# Altium PCB 28_Pins_Project_V1I1_PCB.PcbDoc (continued)
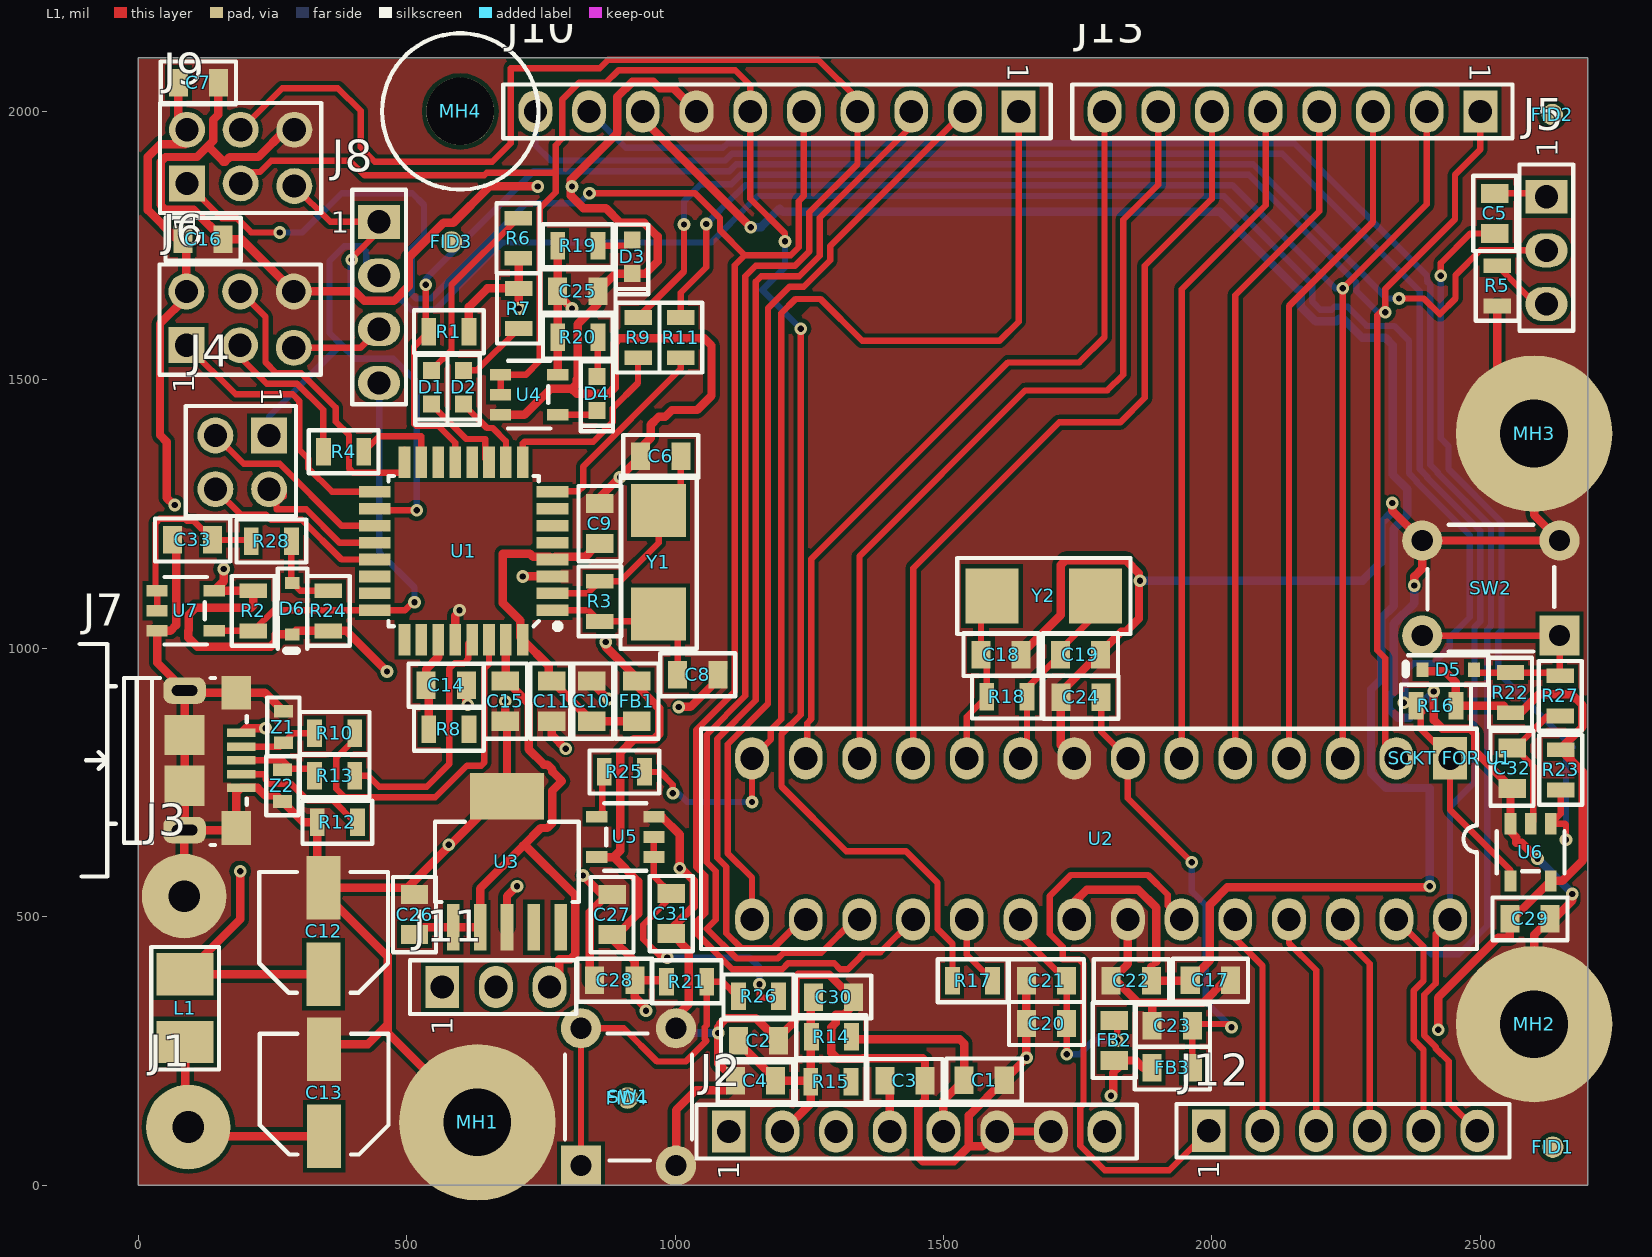
[diagram p0: L1 view]
## Nets (pads, with @x,y where several pads share a name; then routed paths per layer and width w, separated by ;. In a path a pad name is that pad's centre, name@x,y a point inside that pad or via, vN(x,y) a via of type N, cw(c..) or ccw(c..) an arc to the next point about the centre after c; other vN are vias at no path point)
5V/3V3_328P_AVCC: C20.2 C21.2 FB2.2 U2.20 | length 436.8
  L1 w11.81: U2.20 1643.5,466.73 1729.18,381.06 C21.2 C20.2 v1(1729.33,244.09) v1@1727.36,242.13 ; FB2.2 1814.96,304.13 1823.91,295.19 v1(1823.91,269.7)
  L2 w11.81: v1(1729.33,244.09) 1753.94,244.09 1779.54,269.7 v1(1823.91,269.7)
5V/3V3_328P_VCC: C23.2 C24.2 FB3.2 U2.7 | length 872.2
  L1 w11.81: C24.2 1793.63,844.87 U2.7 1843.5,720.47 v1(1962.6,601.38) ; FB3.2 1963.58,300.2 2030.51,300.2 v1(2036.42,294.29)
  L2 w11.81: v1(1962.6,601.38) 1962.6,547.81 1988.78,521.63 1988.78,341.93 v1(2036.42,294.29)
16U2_16MHZ_XTAL1: C8.2 R3.1 U1.1 Y1.1 | length 340
  L1 w11.81: U1.1 839.57,1070.87 R3.1 955.71,1050.2 Y1.1 1004.92,1028.54 C8.2
16U2_16MHZ_XTAL2: C6.2 R3.2 U1.2 Y1.2 | length 414.5
  L1 w11.81: U1.2 837.6,1102.36 R3.2 897.64,1125 969.49,1196.85 Y1.2 1010.83,1298.23 C6.2
16U2_BUF_RESETN: C33.2 R28.2 U7.1 U7.2 | length 360.2
  L1 w11.81: U7.2 U7.1 32.48,1110.24 32.48,1233.07 40.55,1241.14 87.4,1241.14 91.34,1237.2 103.35,1237.2 C33.2 R28.2@208.66,1201.77
16U2_HDR_RESETN: J6.5 J8.3 | length 173.2
  L1 w11.81: J6.5 414.23,1559.7 J8.3
16U2_MISO: J6.1 U1.17 | length 527.6
  L1 w11.81: J6.1 181.57,1473.09 287.74,1473.09 300.2,1460.63 300.2,1370.08 316.93,1353.35 316.93,1335.63 361.22,1291.34 U1.17
16U2_MOSI: J6.4 U1.16 | length 589.5
  L1 w11.81: J6.4 237.2,1617.46 237.2,1532.48 257.22,1512.46 304.04,1512.46 368.11,1448.39 368.11,1422.05 392.72,1397.44 392.72,1334.84 400.79,1326.77 493.11,1326.77 496.06,1329.72 U1.16@496.06,1370.08
16U2_PB4: J4.1 J8.2 U1.18 | length 1016.3
  L1 w11.81: U1.18 443.9,1256.89 v1(518.7,1256.89)
  L2 w11.81: J4.1 243.9,1431.89 377.95,1565.94 ; J8.2 425.2,1717.91 425.2,1738.95 415.13,1749.02 403.74,1749.02 384.09,1749.02 356.3,1721.23 356.3,1587.6 377.95,1565.94 ; v1(518.7,1256.89) 518.7,1496.31 475.45,1539.57 404.33,1539.57 377.95,1565.94
16U2_PB5: J4.3 U1.19 | length 366.7
  L1 w11.81: J4.3 196.65,1343.7 263.47,1343.7 378.82,1228.35 U1.19
16U2_PB6: J4.2 U1.20 | length 281.5
  L1 w11.81: J4.2 271.46,1296.46 271.46,1282.73 269.15,1282.73 257.62,1271.2 257.62,1258.69 257.79,1258.86 313.07,1258.86 375.08,1196.85 U1.20
16U2_PB7: J4.4 U1.21 | length 351.5
  L1 w11.81: J4.4 191.14,1249.21 237.94,1249.21 248.15,1239 265.77,1239 265.95,1239.17 304.92,1239.17 378.74,1165.35 U1.21
16U2_RESETN: J8.4 R2.1 U1.24 U7.4 | length 831
  L1 w11.81: U7.4 R2.1 252.95,1070.87 U1.24 497.05,1070.87 511.81,1085.63 v1(514.76,1085.63)
  L2 w11.81: J8.4 448.82,1179.13 514.76,1113.19 v1(514.76,1085.63)
16U2_RX_LED: D2.1 U1.10 | length 147.1
  L1 w11.81: D2.1 606.3,1453.94 649.8,1410.43 660.43,1410.43 685.04,1385.83 U1.10
16U2_RXD: R11.1 U1.8 | length 377.4
  L1 w11.81: U1.8 771.65,1292.32 820.08,1292.32 828.94,1301.18 828.94,1338.54 1010.83,1520.43 R11.1
16U2_SCLK: J6.3 R4.1 | length 296
  L1 w11.81: J6.3 189.96,1542.32 239.51,1492.78 295.89,1492.78 344.49,1444.18 344.49,1387.8 345.47,1386.81 R4.1
16U2_SCLK_R: R4.2 U1.15 | length 167.3
  L1 w11.81: R4.2 448.82,1394.69 527.56,1394.69 U1.15
16U2_TX_LED: D1.1 U1.11 | length 173.5
  L1 w11.81: D1.1 611.22,1389.76 646.65,1389.76 646.65,1353.35 U1.11
16U2_TXD: R9.1 U1.9 | length 358.7
  L1 w11.81: U1.9 716.54,1381.89 719.49,1384.84 847.4,1384.84 884.01,1421.46 884.01,1447.01 931.1,1494.09 R9.1
16U2PROG_328P_RESETN: J5.2 R1.1 U1.13 | length 2778.2
  L1 w11.81: v1(535.43,1677.17) 535.43,1595.47 R1.1 513.78,1562.01 513.78,1418.31 517.72,1414.37 558.78,1414.37 590.55,1382.59 U1.13 ; v1(2348.54,1651.66) 2394.6,1651.66 2424.21,1622.05 2453.74,1651.57 2453.74,1694.88 2500,1741.14 J5.2
  L2 w11.81: v1(535.43,1677.17) 535.43,1687.77 736.45,1888.78 1101.52,1888.78 1114.32,1901.57 2076.63,1901.57 2288.78,1689.42 2288.78,1688.58 2325.71,1651.66 v1(2348.54,1651.66)
"328P RESETN": J2.3
328P_16MHZ_XTAL1: C19.2 R18.1 U2.9 Y2.1 | length 360.4
  L1 w11.81: U2.9 1655.51,807.01 R18.1 1655.51,926.18 C19.2 1717.52,997.05 1783.47,1062.99 Y2.1
328P_16MHZ_XTAL2: C18.2 R18.2 U2.10 Y2.2 | length 330.9
  L1 w11.81: U2.10 1543.5,872.25 R18.2 1580.71,977.36 C18.2 1569.88,1076.77 Y2.2
328P_AUTORESETN: C5.1 R23.1 U6.1 | length 1436.8
  L1 w11.81: v1(2426.18,1693.9) 2426.18,1717.52 2481.3,1772.64 C5.1 ; R23.1 2649.61,691.93 U6.1 2657.48,673.23 2659.45,671.26 v1(2659.45,643.7)
  L2 w11.81: v1(2426.18,1693.9) 2426.18,1391.03 2440.55,1376.66 2440.55,1333.95 2539.37,1235.14 2539.37,1033.61 2533.46,1027.7 2533.46,954.72 2672.24,815.94 2659.45,803.15 v1(2659.45,643.7)
328P_BUF_RESETN: C32.2 R27.2 U6.2 | length 265.2
  L1 w11.81: U6.2 2598.43,678.15 2598.43,780.51 2564.96,813.98 2625,874.01 R27.2
328P_RESETN: J8.1 J9.5 R16.1 U2.1 U6.4 | length 3774.5
  L1 w11.81: J9.5 357.54,1794.29 J8.1 457.18,1785.92 397.7,1726.44 v1(397.7,1723.43) ; v1(2357.28,898.62) 2385.83,898.62 2391.73,892.72 2391.73,881.02 2388.78,878.06 2388.78,849.72 U2.1 2443.5,699.21 2556.1,586.61 U6.4
  L2 w11.81: v1(397.7,1723.43) 396.65,1723.43 395.67,1724.41 395.67,1675.54 422.19,1649.02 490.47,1649.02 508.58,1630.91 553.2,1630.91 678.2,1755.91 1067.16,1755.91 1141.35,1830.1 1153.77,1842.52 2021.76,1842.52 2187.01,1677.28 2187.01,1645.9 2202,1630.91 2223.2,1630.91 2228.18,1635.88 2253.12,1635.88 2288.53,1600.47 2339.49,1600.47 2367.13,1572.83 2367.13,1325.79 2381.5,1311.42 2381.5,1309.49 2480.31,1210.67 2480.31,1058.07 2442.91,1020.67 2442.91,1002.42 2412.93,972.44 2375.98,972.44 2360.24,956.69 2360.24,901.57 v1(2357.28,898.62)
+3V3: C3.2 J2.4 J11.1 R15.2 U3.4 U3.5 | length 98.7
  L1 w15.75: C3.2 1400,185.63 J2.4
+3V3_16U2_UCAP: C14.2 R8.2 U1.27 | length 177.8
  L1 w15.75: R8.2 541.34,926.18 C14.2 536.42,960.63 559.06,983.27 U1.27
+5V: C1.2 C13.1 C15.2 C26.2 J1.1 J2.5 J11.3 L1.1 R14.1 U1.31 U3.1 U3.2 | length 1926.7
  L1 w15.75: J1.1@87.6,114.17 L1.1 ; J1.1 110.24,91.53 C13.1 ; C26.2 528.54,480.31 U3.1 U3.2 637.01,552.36 716.54,631.89 ; U1.31 685.04,939.96 727.36,897.64 727.36,812.01 755.91,783.46 762.43,783.46 771.65,774.24 771.65,770.3 789.37,752.58 771.65,734.87 771.65,674.58 762.43,665.35 750,665.35 716.54,631.89 ; J11.3 784.45,387.21 784.45,421.26 805.34,421.26 814.57,430.48 814.57,539.37 722.05,631.89 716.54,631.89 ; R14.1@1326.77,271.65 1530.51,271.65 1538.39,263.78 C1.2 1500,157.48 J2.5
+5V/3V3: C2.2 C4.2 C7.2 C16.2 C25.2 C27.2 C28.2 C29.2 C30.2 D5.1 D6.1 FB1.1 FB2.1 FB3.1 J2.2 J6.2 J9.2 J11.2 R1.2 R2.2 R6.1 R7.2 R14.2 R15.1 R16.2 R19.2 R20.2 R21.2 R22.2 R23.2 R24.2 U4.5 U5.5 U6.5 U7.5 | length 4893.9
  L1 w15.75: v1(67.92,1266.79) 66.87,1266.79 53.15,1280.51 53.15,1384.84 40.75,1397.24 40.75,1604.69 89.96,1653.9 J6.2 89.96,1755.51 C16.2 72.41,1761.81 18.11,1816.11 18.11,1915.66 41.17,1938.72 87.73,1938.72 90.94,1941.93 J9.2 74.8,1982.03 C7.2 ; v1(159.45,1147.64) 159.45,1125 U7.5 R2.2 214.57,1079.72 210.63,1075.79 107.28,1075.79 94.49,1062.99 94.49,1033.52 93.5,1032.54 93.5,1019.69 110.24,1002.95 246.68,1002.95 255.91,1012.18 255.91,1025.82 D6.1 294.06,1032.48 R24.2 387.8,1032.48 v1(463.58,956.69) ; R1.2 616.14,1635.83 650.59,1670.28 R7.2 ; R6.1 708.66,1725.39 R7.2 ; v1(708.66,1632.87) R7.2 ; U4.5 R19.2 ; C25.2 781.5,1659.45 807.99,1632.95 v1(808.11,1632.95) ; U5.5 885.83,611.22 ; v1@871.06,1002.95 929.13,944.88 FB1.1 929.13,929.75 970.47,888.41 970.47,839.93 961.25,830.71 923.23,830.71 897.64,805.12 897.64,623.03 885.83,611.22 ; v1(945.87,324.8) 945.87,329.72 925.2,350.39 C28.2 ; R21.2 981.3,381.89 C28.2 ; C2.2@1113.19,270.67 C4.2@1187.01,196.85 ; C4.2 R15.1@1252.95,194.88 ; J2.2 1200.39,100 1252.95,152.56 R15.1@1252.95,194.88 ; C30.2@1252.95,349.41 R15.1@1252.95,194.88 ; v1(1812.01,166.34) 1816.06,170.39 1816.06,209.76 1828.74,222.44 1827.76,222.44 FB2.1 1856.3,232.28 1857.28,233.27 1872.05,218.5 FB3.1 ; D5.1@2391.96,957.68 2433.07,957.68 2453.74,937.01 2453.74,895.9 2456.92,892.72 2543.31,892.72 R22.2 2574.8,879.92 2609.25,914.37 2669.91,914.37 2689.96,894.32 2689.96,853.71 2649.61,813.36 R23.2 2690.94,769.69 2690.94,605.31 2652.56,566.93 U6.5 2560.04,496.06 C29.2 2555.12,461.42 2533.14,461.42 2421.26,349.54 v1(2421.26,289.37) ; 885.83,611.22 931.1,565.94 931.1,505.91 888.78,463.58 877.95,463.58 925.2,416.34 C28.2
  other v1: 871.06,1011.81
+5V/3V3_16U2: C9.2 C10.2 C11.2 FB1.2 U1.4 U1.32 | length 662.8
  L1 w15.75: C9.2@860.24,1186.02 848.43,1186.02 832.68,1170.28 776.58,1170.28 U1.4 766.73,1170.28 735.6,1170.28 729.7,1176.18 679.13,1176.18 679.13,1084.28 711.61,1051.8 711.61,1020.67 U1.32 764.76,967.52 764.76,938.98 C11.2 844.49,865.16 C10.2 FB1.2
+5V_USB: C12.1 J7.1 L1.2 | length 541.2
  L1 w15.75: v1(189.96,584.65) 189.96,495.08 L1.2 C12.1 ; J7.1 200.78,851.39 v1(237.22,851.39)
+AREF: C17.2 C22.2 J10.8 U2.21 | length 3764.1
  L1 w15.75: J10.8 940,1985.2 v1(1140.75,1784.45) ; U2.21 1743.5,526.97 1766.65,550.12 1863.07,550.12 1896.26,516.93 1896.26,416.12 ; 1887.22,407.08 C22.2 1958.81,381.05 C17.2 1996.26,418.5 1996.26,522.44 2028.94,555.12 v1@2406.5,555.12
  L2 w15.75: v1(1140.75,1784.45) 1160.43,1784.45 1194.88,1818.9 1200.79,1812.99 2014.76,1812.99 2159.45,1668.31 2165.35,1668.31 2165.35,1636.93 2193.03,1609.25 2232.17,1609.25 2237.15,1614.23 2244.15,1614.23 2279.56,1578.82 2322.76,1578.82 2336.61,1564.96 2336.61,1323.75 2364.17,1296.19 2364.17,1248.39 2338.58,1222.8 2338.58,1079.04 2314.96,1055.42 2314.96,942.04 2296.26,923.34 2296.26,767.56 2323.93,739.88 2363.07,739.88 ; 2363.1,739.85 2405.51,739.85 v1(2405.51,557.09)
AD0: J12.1 U2.23 | length 1108.2
  L1 w11.81: U2.23 1917.91,520.59 1917.91,540.86 1881.02,577.76 1737.2,577.76 1698.23,538.78 1698.23,468.37 1722.29,444.31 1722.29,420.43 1752.75,420.43 1760.83,412.35 1760.83,151.35 1754.72,145.25 1754.72,73.37 1800.54,27.56 1920.28,27.56 J12.1
AD1: J12.2 U2.24 | length 414.6
  L1 w11.81: U2.24 2043.5,459.45 2094.09,408.86 J12.2
AD2: J12.3 U2.25 | length 414.6
  L1 w11.81: U2.25 2143.5,450.98 2194.09,400.39 J12.3
AD3: J12.4 U2.26 | length 414.6
  L1 w11.81: U2.26 2243.5,463.19 2294.09,412.6 J12.4
AD4/SDA: J10.9 J12.5 U2.27 | length 3605.3
  L1 w11.81: U2.27 2394.09,444.41 2394.09,380.83 2375.98,362.72 2375.98,270.62 2394.09,252.51 J12.5
  L2 w11.81: J10.9 907.91,1932.09 1089.15,1932.09 1098.01,1940.94 2153.54,1940.94 2400.59,1693.9 2400.59,1683.3 2406.5,1677.39 2406.5,1342.09 2420.87,1327.72 2420.87,1325.8 2519.68,1226.98 2519.68,1041.76 2512.8,1034.87 2512.8,483.27 2459.65,430.12 2408.39,430.12 U2.27
AD5/SCL: J10.10 J12.6 U2.28 | length 3527.7
  L1 w11.81: U2.28 2416.93,468.43 2416.93,375.83 2395.67,354.57 2395.67,278.77 2416.93,257.51 2416.93,254.62 2440.94,230.61 2440.94,154.53 J12.6
  L2 w11.81: J10.10 740,1937.17 768.7,1908.46 1093.37,1908.46 1106.16,1921.26 2130.91,1921.26 2386.81,1665.35 2386.81,1333.94 2401.18,1319.57 2401.18,1317.65 2500,1218.83 2500,1049.92 2489.17,1039.09 2489.17,750.32 2443.5,704.65 U2.28
BUTTON_RESETN: D5.2 R22.1 R27.1 SW2.1 SW2.2 | length 488.5
  L1 w11.81: SW2.2 SW2.1 2647.64,949.8 2642.72,954.72 R22.1 D5.2@2490.91,954.72
CON_USB_N: J7.2 R10.2 Z1.2 | length 147
  L1 w11.81: J7.2 263.78,816.93 Z1.2 288.39,841.54 R10.2
CON_USB_P: J7.3 R13.2 Z2.2 | length 148.7
  L1 w11.81: J7.3 269.18,791.34 284.93,775.59 315.95,775.59 R13.2
GND: C1.1 C2.1 C3.1 C4.1 C6.1 C7.1 C8.1 C9.1 C10.1 C11.1 C12.2 C13.2 C14.1 C15.1 C16.1 C17.1 C18.1 C19.1 C20.1 C21.1 C22.1 C23.1 C24.1 C25.1 C26.1 C27.1 C28.1 C29.1 C30.1 C31.1 C32.1 C33.1 D3.1 J2.6 J2.7 J3.1 J6.6 J7.5 J7.6 J7.7 J7.10 J7.11 J9.6 J10.7 MH1.1 MH2.1 MH3.1 R5.1 R12.2 SW1.3 SW1.4 SW2.3 SW2.4 U1.3 U1.28 U2.8 U2.22 U3.3 U3.6 U4.3 U5.3 U6.3 U7.3 Z1.1 Z2.1 | length 12935.6
  L1 w15.75: C33.1 70.87,1194.88 70.87,1043.31 60.04,1032.48 U7.3 35.43,973.43 86.59,922.26 J7.7@86.59,921.26 ; J3.1 85.63,660.45 J7.7@86.59,661.42 ; C7.1 149.61,1994.14 140.16,1984.69 140.16,1945.5 129.92,1935.26 ; J7.7@179.12,661.42 J7.7@86.59,661.42 ; J7.7@183.05,665.35 183.05,731.3 J7.5 222.53,740.16 236.31,726.38 256.89,726.38 Z2.1 ; Z2.1@270.67,712.6 307.09,676.18 R12.2 333.66,565.94 C12.2 ; Z1.1 236.22,917.32 J7.6 90.53,917.32 J7.7@86.59,921.26 ; J9.6 274.94,1965.88 224.15,1915.1 170.56,1915.1 161.96,1906.5 158.69,1906.5 129.92,1935.26 ; C13.2 356.3,262.8 428.15,262.8 464.57,299.21 ; U1.28 590.55,1061.02 ; C14.1 611.22,897.71 v1(614.2,894.73) ; MH1.1 464.57,284.45 464.57,299.21 ; U4.3 719.49,1435.04 767.72,1483.27 807.7,1483.27 ; C15.1 v1(684.06,901.57) ; U3.3 687.01,538.39 v1(705.71,557.09) ; C15.1@687.01,861.22 U3.6 672.24,724.41 501.97,554.13 C12.2 ; v1(716.54,1133.86) U1.3 ; v1(744.09,1860.24) 654.53,1860.24 586.93,1792.64 568.85,1792.64 503.94,1727.72 503.94,1674.72 476.26,1647.05 421.38,1647.05 403.72,1664.7 J6.6 192.85,1761.81 C16.1 103.6,1816.67 50.96,1816.67 41.73,1825.9 41.73,1905.87 50.96,1915.1 109.75,1915.1 129.92,1935.26 ; C11.1 770.67,838.58 v1(796.26,812.99) ; v1(828.74,576.77) 864.17,541.34 C27.1 ; C10.1 844.49,936.02 875,905.51 v1(875.98,905.51) v1@876.97,905.51 ; C28.1 841.53,381.89 841.53,508.86 C27.1@874.02,541.34 ; C9.1 860.24,1281.5 C6.1 ; C6.1@936.02,1373.03 954.72,1391.73 954.72,1416.34 969.49,1431.1 981.3,1431.1 994.09,1443.9 1041.34,1443.9 1067.91,1470.47 1067.91,1563.98 1054.13,1577.76 896.65,1577.76 887.8,1568.9 887.8,1485.45 876.76,1474.41 816.56,1474.41 807.7,1483.27 ; U5.3 976.01,686.02 1008.86,653.18 v1(1008.86,590.55) 1011.44,590.55 1034.45,567.55 1034.45,519.07 993.11,477.73 C31.1 1025.59,436.02 1025.59,337.6 1001.97,313.98 SW1.4 ; SW1.3 1001.97,139.76 1039.37,177.17 1094.49,177.17 C4.1 1080.71,226.38 v1(1080.71,283.46) 1080.71,294.29 1084.64,298.23 1084.64,300.81 1094.85,311.02 1150.59,311.02 1189.47,272.15 C2.1 ; v1(1006.89,890.75) 1028.54,890.75 1079.72,941.93 C8.1 ; J10.7 996.73,2043.27 971.42,2043.27 959.57,2055.12 920.43,2055.12 892.76,2027.44 892.76,1959.69 806.1,1873.03 806.1,1842.92 829.14,1819.88 871.06,1819.88 898.62,1792.32 942.55,1792.32 967.52,1767.35 967.52,1720.47 944.88,1697.83 D3.1 888.78,1697.83 C25.1 856.3,1641.36 818.9,1603.96 818.9,1502.95 816.93,1500.98 816.93,1492.49 807.7,1483.27 ; C2.1@1178.77,270.67 1187.99,270.67 1224.41,307.09 1224.41,317.6 1224.41,386.45 1229.7,391.73 1287.4,391.73 1328.74,350.39 1328.74,331.69 1314.96,317.91 1299.21,317.91 1299.21,302.17 1291.34,294.29 1291.34,247.05 1303.15,235.24 1349.04,235.24 1350.03,236.22 1461.61,236.22 1465.55,232.28 C3.1 1465.55,158.46 1452.76,145.67 1452.76,53.15 1461.02,44.88 1519.57,44.88 1547.24,72.56 ; C18.1 1718.5,1062.01 1718.5,1155.15 1727.73,1164.37 1840.55,1164.37 1840.55,1163.02 1864.17,1139.4 1864.17,1055.49 1839.2,1030.51 1830.71,1030.51 1718.83,918.63 C24.1 1718.83,819.68 U2.8 ; C21.1 C20.1 v1(1654.53,237.21) C1.1 1547.24,129.92 1547.24,72.56 ; J2.7 J2.6 1572.56,72.56 1547.24,72.56 ; U2.22 1843.5,412.14 C22.1 1821.64,381.05 1862.98,339.71 1890.75,339.71 ; C23.1 1888.78,337.74 1890.75,339.71 ; C17.1 2025.22,381.89 1983.05,339.71 1890.75,339.71 ; v1(2335.74,1270.73) 2335.74,1256.77 SW2.4 ; v1(2376.97,1117.13) 2376.97,1133.86 2391.73,1148.62 SW2.4 ; v1(2413.39,919.53) 2413.39,866.14 2429.41,850.12 2481.52,850.12 2490.75,840.89 2490.75,807.48 C32.1 2556.1,736.22 U6.3 2556.1,658.46 2566.93,647.64 2566.93,637.79 2576.77,637.79 v1(2606.3,608.27) ; R5.1 2531.5,1468.5 MH3.1 2600,1248.42 SW2.3 SW2.4 ; MH2.1 2600,466.14 C29.1 2636.81,496.06 2671.26,530.51 v1(2671.26,542.32) ; J7.7@86.59,661.42 J7.11 J7.10 J7.7@86.59,921.26 ; C12.2 345.47,545.28 464.57,426.18 464.57,299.21
  L2 w15.75: SW1.4 1010.83,283.46 v1(1080.71,283.46) ; v1(1866.14,1125.98) 2280.51,1125.98 2314.96,1160.43 2314.96,1232.59 2335.74,1253.37 v1(2335.74,1270.73) ; v1(2376.97,1117.13) 2376.97,1084.02 2338.58,1045.64 2338.58,918.89 2329.72,910.04 2329.72,887.21 2345.87,871.06 2368.7,871.06 2384.84,887.21 2384.84,890.98 v1(2413.39,919.53) ; v1(2606.3,608.27) 2671.26,543.31 v1(2671.26,542.32)
  other v1: 578.74,633.86 598.43,1070.87 897.64,1318.9 808.07,1860.24
IO0: J13.1 R9.2 U2.2 | length 3015
  L1 w11.81: R9.2 1016.73,1701.77 v1(1016.73,1789.37) v1@1015.75,1790.35 ; v1(2322.95,1626.06) 2322.95,1634.73 v1@2322.83,1634.84 ; U2.2 2322.83,795 2322.83,981.81 2308.07,996.57 2308.07,1620.08 v1@2322.83,1634.84 ; J13.1 2500,1929.13 2452.76,1881.89 2452.76,1799.21 2322.83,1669.29 v1@2322.83,1634.84
  L2 w11.81: v1(1016.73,1789.37) 1016.73,1832.68 1048.23,1864.17 1104.76,1864.17 1122.47,1881.89 2068.47,1881.89 2269.09,1681.27 2269.09,1665.94 2308.98,1626.06 v1(2322.95,1626.06)
IO1: J13.2 R11.2 U2.3 | length 2771.3
  L1 w11.81: R11.2 1010.83,1662.4 1058.07,1709.65 v1(1058.07,1790.35) ; U2.3 2243.5,1655.51 v1(2243.5,1670.67) ; 2243.5,1657.48 v1(2243.5,1670.67) ; J13.2 2400,1827.17 v1(2243.5,1670.67)
  L2 w11.81: v1(1058.07,1790.35) 1112.2,1844.49 1112.91,1844.49 1130.63,1862.2 2038.39,1862.2 2229.92,1670.67 v1(2243.5,1670.67)
IO2: J13.3 U2.4 | length 1269.8
  L1 w11.81: U2.4 2143.5,1637.6 2300,1794.09 J13.3
IO3: J13.4 U2.5 | length 1269.8
  L1 w11.81: U2.5 2043.5,1657.68 2200,1814.17 J13.4
IO4: J13.5 U2.6 | length 1269.8
  L1 w11.81: U2.6 1943.5,1668.9 2100,1825.39 J13.5
IO5: J13.6 U2.11 | length 1502.4
  L1 w11.81: U2.11 1443.5,1149.21 1715.55,1421.26 1829.72,1421.26 1875,1466.54 1875,1712.6 2000,1837.6 J13.6
IO6: J13.7 U2.12 | length 1524.9
  L1 w11.81: U2.12 1343.5,1171.26 1652.56,1480.31 1805.12,1480.31 1834.65,1509.84 1834.65,1798.23 1900,1863.58 J13.7
IO7: J13.8 U2.13 | length 1513.3
  L1 w11.81: U2.13 1246.06,797.56 1246.06,860.39 1253.94,868.26 1253.94,1166.34 1620.08,1532.48 1752.95,1532.48 1800,1579.53 J13.8
IO8: J10.1 R25.2 U2.14 | length 2057.4
  L1 w11.81: R25.2 972.44,769.68 996.06,746.06 v1(996.06,730.31) ; v1(1143.5,713.78) U2.14 1178.54,830.04 1178.54,848.54 1197.83,867.83 1197.83,1624.02 1224.41,1650.59 1270.95,1650.59 1348.7,1572.83 1604.33,1572.83 1640,1608.5 J10.1
  L2 w11.81: v1(996.06,730.31) 1005.91,730.31 1022.44,713.78 v1(1143.5,713.78)
IO9: J10.2 U2.15 | length 1722.3
  L1 w11.81: U2.15 1143.5,572.63 1098.23,617.91 1098.23,821.63 1173.23,896.63 1173.23,1633.23 1213.23,1673.23 1239.79,1673.23 1289.37,1722.81 1289.37,1749.37 J10.2
MISO: J9.1 J10.5 U2.18 | length 3617.4
  L1 w11.81: J9.1 155.65,1801.18 184.1,1801.18 210.68,1774.61 v1(263.78,1774.61) ; v1(840.55,1847.44) 1037.17,1847.44 1083.66,1800.95 1083.66,1778.54 1129.92,1732.28 ; J10.5 1240,1842.36 1230.31,1832.68 1230.31,1747.27 1215.32,1732.28 1129.92,1732.28 ; U2.18 1382.56,434.06 1355.12,434.06 1354.13,435.04 1344.49,425.4 1344.49,424.92 1322.05,402.48 1307.28,402.48 1296.37,413.39 1210.52,413.39 1199.61,402.48 1106.8,402.48 1039.17,470.11 1039.17,489.85 1056.1,506.78 1056.1,576.51 1039.17,593.44 1039.17,847.44 1111.22,919.49 1111.22,1713.58 1129.92,1732.28
  L2 w11.81: v1(263.78,1774.61) 306.1,1774.61 378.94,1847.44 510.83,1847.44 532.48,1825.79 532.48,1768.7 509.84,1746.06 509.84,1659.45 517.72,1651.57 546.03,1651.57 723.2,1828.74 821.85,1828.74 v1(840.55,1847.44)
MOSI: J9.4 J10.4 U2.17 | length 3524.3
  L1 w11.81: J9.4 268.37,2043.31 372.05,2043.31 414.37,2000.98 414.37,1933.07 440.94,1906.5 659.53,1906.5 693.9,1940.86 693.9,2080.71 859.89,2080.71 875.63,2096.46 1266.73,2096.46 1340,2023.19 J10.4 1340,1902.01 1250,1812.01 1250,1739.12 1223.48,1712.6 1150.59,1712.6 1130.9,1692.91 1130.9,911.34 1058.86,839.29 1058.86,601.6 1075.79,584.67 1075.79,494.38 1059.27,477.86 1114.96,422.17 1191.46,422.17 1202.37,433.07 1272.25,433.07 1334.18,495 U2.17
NetC5_2: C5.2 J5.1 | length 99.1
  L1 w11.81: C5.2 2616.73,1847.44 J5.1
NetD1_2: D1.2 R6.2 | length 350.3
  L1 w11.81: D1.2 583.66,1555.12 583.66,1677.17 R6.2
NetD2_2: D2.2 R7.1 | length 134.6
  L1 w11.81: D2.2 630.91,1517.72 R7.1
NetD3_2: D3.2 R19.1 | length 68.5
  L1 w11.81: R19.1 909.45,1750 D3.2
NetD4_1: D4.1 U4.4 | length 76.3
  L1 w11.81: U4.4 846.61,1435.04 D4.1
NetD4_2: D4.2 R20.1 | length 74.6
  L1 w11.81: D4.2 856.3,1507.72 R20.1
NetD6_2: D6.2 R24.1 R28.1 | length 151.8
  L1 w11.81: R28.1 285.43,1123.79 D6.2 301.94,1107.28 R24.1
NetJ5_3: J5.3 R5.2 | length 121.1
  L1 w11.81: R5.2 2602.95,1641.14 J5.3
NetJ7_4: J7.4 R12.1 | length 257.6
  L1 w11.81: J7.4 234.25,765.75 237.21,762.79 237.21,756.1 245.28,748.03 284.65,748.03 316.14,716.54 363.11,716.54 403.46,676.18 R12.1
NetR25_1: R25.1 U5.4 | length 90.4
  L1 w11.81: U5.4 865.41,697.1 864.17,698.34 864.17,765.75 R25.1
SCK: J9.3 J10.6 R17.1 U4.1 U4.2 | length 3582.6
  L1 w11.81: J9.3 212.09,1887.03 226.71,1887.03 247.81,1908.13 394.35,1908.13 421.57,1880.91 644.57,1880.91 649.5,1885.83 772.64,1885.83 777.56,1880.91 ; U4.2 U4.1 722.44,1509.84 748.03,1535.43 748.03,1819.68 777.56,1849.21 777.56,1880.91 ; v1(1204.72,1757.87) 1204.72,1772.64 1140,1837.36 J10.6 1140,2048.98 1112.2,2076.77 894.72,2076.77 871.1,2053.15 821.25,2053.15 790.24,2022.15 790.24,1949.69 777.56,1937.01 777.56,1880.91 ; v1(1234.25,1595.47) 1234.25,876.41 1198.23,840.39 1198.23,742.72 1318.9,622.05 1430.12,622.05 1488.78,563.39 1488.78,477.82 1516.73,449.87 R17.1
  L2 w11.81: v1(1204.72,1757.87) 1204.72,1709.65 1162.4,1667.32 v1(1234.25,1595.47)
SCK_R: R17.2 U2.19 | length 134
  L1 w11.81: U2.19 1543.5,428.94 R17.2
SS: J10.3 U2.16 | length 1910.4
  L1 w11.81: U2.16 1236.46,495 1183.31,441.85 1123.11,441.85 1095.47,469.49 1095.47,592.82 1078.54,609.75 1078.54,831.14 1150.59,903.18 1150.59,1683.07 1160.43,1692.91 1231.63,1692.91 1269.68,1730.97 1269.68,1802.17 1440,1972.48 J10.3
USB_N: R10.1 U1.30 | length 658.5
  L1 w11.81: R10.1 403.54,830.71 369.09,796.26 369.09,738.39 385.04,722.44 553.35,722.44 612.4,781.5 638.78,781.5 644.69,787.4 644.69,962.4 653.54,971.26 U1.30
USB_P: R13.1 U1.29 | length 461.3
  L1 w11.81: R13.1 428.15,762.8 448.82,742.13 537.4,742.13 579.72,784.45 579.72,962.4 589.76,972.44 607.09,972.44 615.16,980.51 615.16,1008.86 U1.29
USER_BUTTON: R21.1 R26.1 SW1.1 SW1.2 | length 715.6
  L1 w11.81: SW1.1 SW1.2 904.53,292.32 966.54,230.31 1019.69,230.31 1058.68,269.31 1055.12,272.86 1055.12,294.06 1059.05,298 R21.1 1088.59,378.94 R26.1@1118.11,349.41
USER_BUTTON_BUF: C31.2 R26.2 U5.1 U5.2 | length 555
  L1 w11.81: U5.2 U5.1 960.63,575.79 C31.2 993.11,537.29 940.94,485.13 940.94,457.88 961.81,437.01 962.6,437.01 975.39,424.21 v1(985.24,424.21) ; v1(1157.48,374.02) 1157.48,350.39 1158.46,349.41 R26.2@1192.91,349.41
  L2 w11.81: v1(985.24,424.21) 1138.78,424.21 1157.48,405.51 v1(1157.48,374.02)
pads on no net: FID1.1 FID2.1 FID3.1 FID4.1 J2.1 J2.8 MH4.1 R8.1 U1.5 U1.6 U1.7 U1.12 U1.14 U1.22 U1.23 U1.25 U1.26

## Polygon pours and split planes (outlines as drawn)
GND on L2 "L2-No Net" (solid, remove dead copper, pour order 10): 11.81,2090.55 11.81,2027.56 574.8,2027.56 704.72,1897.64 712.6,1889.76 712.6,1763.78 846.46,1763.78 881.89,1728.35 874.02,1720.47 874.02,1559.06 874.02,1397.64 590.55,1114.17 566.93,1090.55 566.93,846.46 566.93,681.1 547.24,661.42 559.06,649.61 559.06,515.75 1000,515.75 1157.48,358.27 1161.42,354.33 2409.45,354.33 2409.45,787.4 2456.69,834.65 2425.2,866.14 2425.2,1866.14 2047.24,1866.14 1830.71,2082.68 1822.83,2090.55 11.81,2090.55
+5V on L2 "L2-No Net" (solid, remove dead copper, pour order 0): 11.81,11.81 15.75,15.75 15.75,287.4 677.17,287.4 716.54,326.77 728.35,338.58 728.35,417.32 814.96,417.32 814.96,342.52 870.08,342.52 874.02,338.58 885.83,326.77 885.83,255.91 929.13,255.91 1137.8,47.24 1157.48,27.56 1208.66,27.56 1456.69,27.56 1456.69,149.61 1547.24,149.61 1547.24,11.81 11.81,11.81
+3V3 on L2 "L2-No Net" (solid, remove dead copper, pour order 2): 523.62,318.9 610.24,318.9 610.24,377.95 708.66,476.38 696.85,464.57 720.47,464.57 854.33,464.57 862.2,464.57 984.25,342.52 988.19,338.58 1062.99,338.58 1255.9,145.67 1362.2,145.67 1362.2,59.06 1440.94,59.06 1440.94,177.17 1303.15,314.96 1208.66,314.96 1173.23,314.96 1153.54,334.65 1086.61,401.57 1082.68,401.57 972.44,401.57 968.5,405.51 885.83,488.19 846.46,488.19 594.49,488.19 523.62,417.32
+5V_USB on L2 "L2-No Net" (solid, remove dead copper, pour order 6): 224.41,870.08 224.41,834.65 224.41,822.83 188.98,787.4 185.04,783.46 185.04,704.72 185.04,688.98 173.23,677.17 173.23,566.93 208.66,566.93 208.66,618.11 212.6,618.11 224.41,629.92 224.41,775.59 244.09,775.59 251.97,783.46 255.91,787.4 255.91,870.08 224.41,870.08
+5V/3V3 on L2 "L2-No Net" (solid, remove dead copper, pour order 8): 15.75,299.21 673.23,299.21 673.23,303.15 716.54,346.46 720.47,350.39 720.47,425.2 834.65,425.2 913.39,346.46 913.39,311.02 913.39,295.28 1161.42,47.24 1165.35,47.24 1240.16,47.24 1244.09,51.18 1440.94,51.18 2433.07,51.18 2559.06,177.17 2440.94,295.28 2440.94,326.77 996.06,326.77 976.38,346.46 964.57,358.27 960.63,358.27 956.69,358.27 854.33,460.63 850.39,456.69 708.66,456.69 696.85,456.69 629.92,389.76 622.05,381.89 622.05,311.02 519.69,311.02 464.57,366.14 456.69,374.02 456.69,885.83 787.4,885.83 909.45,1007.87 909.45,1031.5 909.45,1051.18 905.51,1055.12 881.89,1078.74 283.46,1078.74 283.46,1161.42 82.68,1362.2 102.36,1381.89 102.36,1555.12 811.02,1555.12 830.71,1574.8 870.08,1614.17 870.08,1641.73 870.08,1708.66 811.02,1767.72 559.06,2019.69 51.18,2019.69 11.81,2019.69 11.81,307.09 15.75,303.15 15.75,299.21
GND on L1 "GND_L01_P012" (solid, pour order 12): 0,2098.43 0.98,2097.44 2699.8,2097.44 2699.8,0 0,0
GND on L1 "GND_L01_P011" (solid, pour order 11): 0,0

## Text inside footprints (layer, text, board x,y; h text height)
J2: Top Overlay "1" at 1120,10 h39.37 r90
J4: Top Overlay "1" at 228.9,1486.46 h39.37 r270
J5: Top Overlay "1" at 2643.7,1914.37 h39.37 r90
J6: Top Overlay "1" at 104.96,1474.7 h39.37 r90
J8: Top Overlay "1" at 358.82,1774.29 h39.37
J9: Top Overlay "1" at 105.94,1775.89 h39.37 r90
J10: Top Overlay "1" at 1620,2090 h39.37 r270
J11: Top Overlay "1" at 586.34,279.09 h39.37 r90
J12: Top Overlay "1" at 2014.09,11.38 h39.37 r90
J13: Top Overlay "1" at 2480,2090 h39.37 r270